# KiCad board ClockFOUR.kicad_pcb (continued)
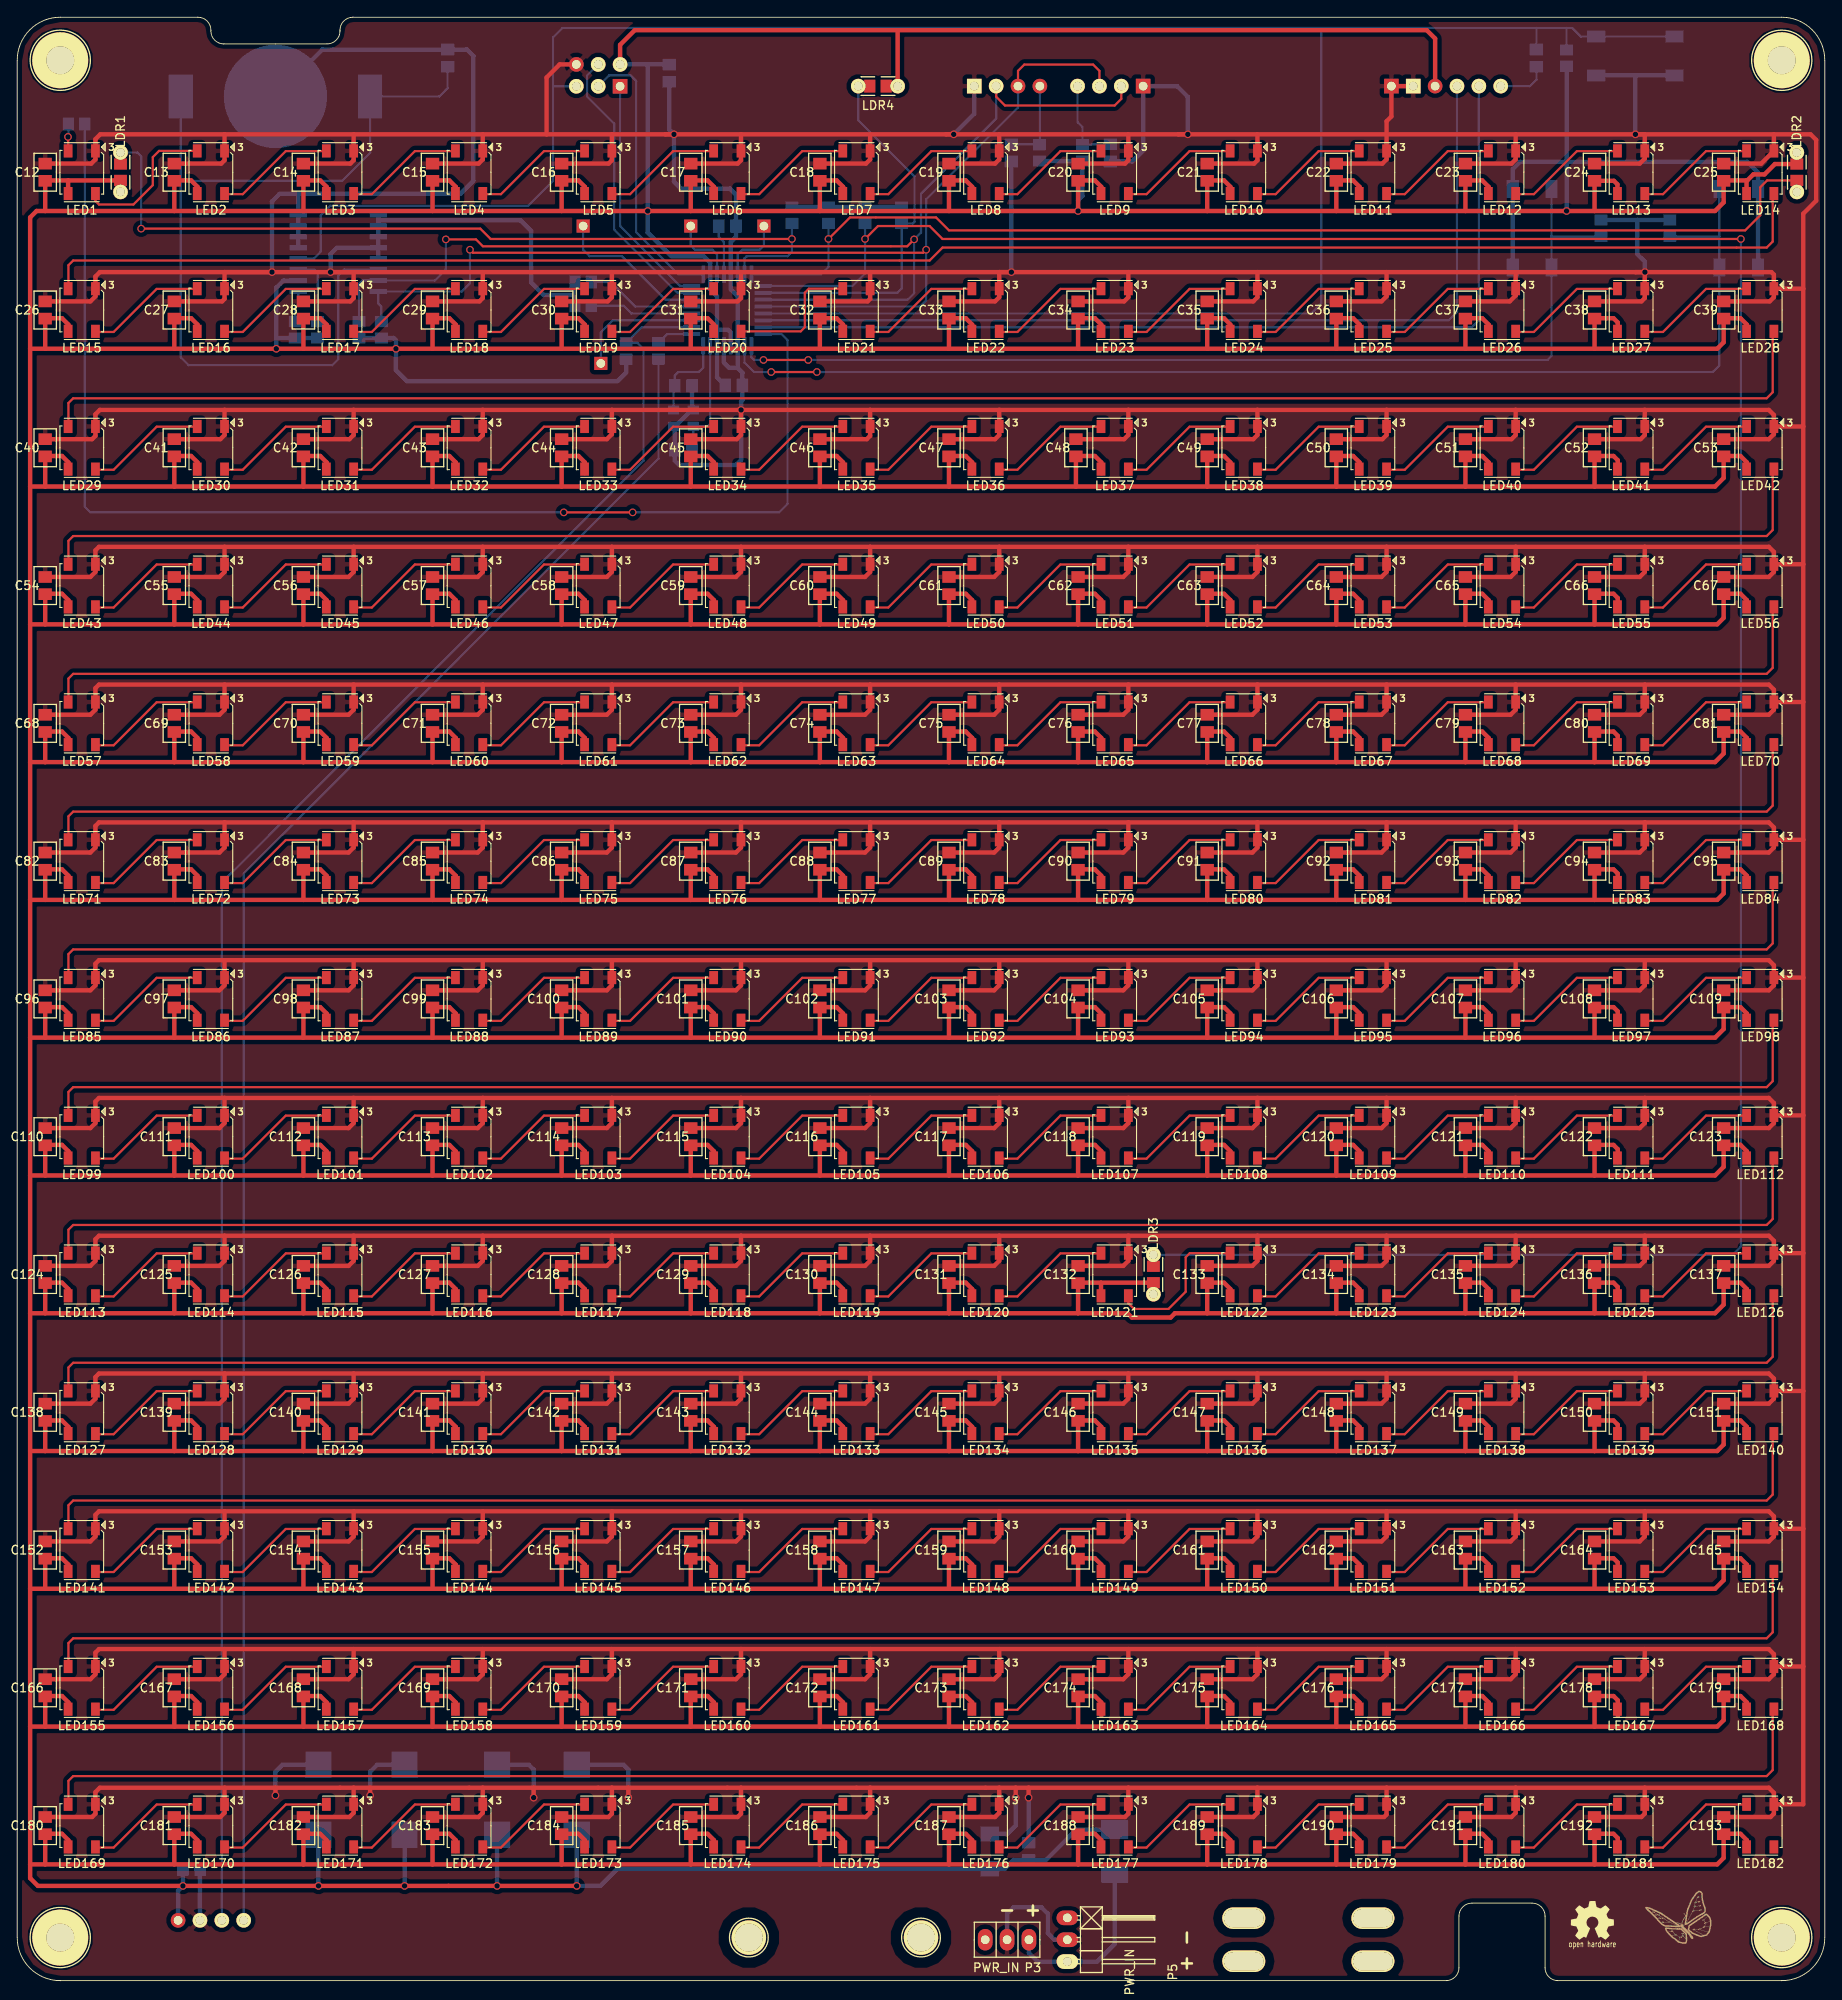
[diagram p0: board, top side]
## Nets (continued)
Net-(LED130-Pad2): LED130.2 LED131.4
Net-(LED131-Pad2): LED131.2 LED132.4
Net-(LED132-Pad2): LED132.2 LED133.4
Net-(LED133-Pad2): LED133.2 LED134.4
Net-(LED134-Pad2): LED134.2 LED135.4
Net-(LED135-Pad2): LED135.2 LED136.4
Net-(LED136-Pad2): LED136.2 LED137.4
Net-(LED137-Pad2): LED137.2 LED138.4
Net-(LED138-Pad2): LED138.2 LED139.4
Net-(LED139-Pad2): LED139.2 LED140.4
Net-(LED141-Pad2): LED141.2 LED142.4
Net-(LED142-Pad2): LED142.2 LED143.4
Net-(LED143-Pad2): LED143.2 LED144.4
Net-(LED144-Pad2): LED144.2 LED145.4
Net-(LED145-Pad2): LED145.2 LED146.4
Net-(LED146-Pad2): LED146.2 LED147.4
Net-(LED147-Pad2): LED147.2 LED148.4
Net-(LED148-Pad2): LED148.2 LED149.4
Net-(LED149-Pad2): LED149.2 LED150.4
Net-(LED150-Pad2): LED150.2 LED151.4
Net-(LED151-Pad2): LED151.2 LED152.4
Net-(LED152-Pad2): LED152.2 LED153.4
Net-(LED153-Pad2): LED153.2 LED154.4
Net-(LED155-Pad2): LED155.2 LED156.4
Net-(LED156-Pad2): LED156.2 LED157.4
Net-(LED157-Pad2): LED157.2 LED158.4
Net-(LED158-Pad2): LED158.2 LED159.4
Net-(LED159-Pad2): LED159.2 LED160.4
Net-(LED160-Pad2): LED160.2 LED161.4
Net-(LED161-Pad2): LED161.2 LED162.4
Net-(LED162-Pad2): LED162.2 LED163.4
Net-(LED163-Pad2): LED163.2 LED164.4
Net-(LED164-Pad2): LED164.2 LED165.4
Net-(LED165-Pad2): LED165.2 LED166.4
Net-(LED166-Pad2): LED166.2 LED167.4
Net-(LED167-Pad2): LED167.2 LED168.4
Net-(LED169-Pad2): LED169.2 LED170.4
Net-(LED170-Pad2): LED170.2 LED171.4
Net-(LED171-Pad2): LED171.2 LED172.4
Net-(LED172-Pad2): LED172.2 LED173.4
Net-(LED173-Pad2): LED173.2 LED174.4
Net-(LED174-Pad2): LED174.2 LED175.4
Net-(LED175-Pad2): LED175.2 LED176.4
Net-(LED176-Pad2): LED176.2 LED177.4
Net-(LED177-Pad2): LED177.2 LED178.4
Net-(LED178-Pad2): LED178.2 LED179.4
Net-(LED179-Pad2): LED179.2 LED180.4
Net-(LED180-Pad2): LED180.2 LED181.4
Net-(LED181-Pad2): LED181.2 LED182.4
Net-(P10-Pad1): P10.1 R4.2
Net-(R6-Pad2): R6.2 U2.3
Net-(R7-Pad2): R7.2 U2.1
Net-(R12-Pad2): R12.2 U1.12
Net-(R13-Pad2): R13.2 U1.13

Pads without a net: LED182 2; P3 1; P5 1; S1 1; S2 1; S3 1; S4 1; S5 1; S6 1; S10 1; S11 1; S12 1; S13 1

## Via types
v1: diameter 0.889, hole 0.635, Top to Bottom, 41 vias

## Routing (per net, layer and track width the routed paths; a pad name or vN(x,y) marks a point on that pad's centre or on a via; arc(x,y) is an arc through that point)
5V: length 4682.8
  Top w0.254: 63.3,209.05 63.45,209.05 ; 78.05,209.05 78.45,209.05 ; 80.95,207.45 80.95,207.3 ; 93.05,209.05 93.45,209.05 ; 123.05,209.05 123.45,209.05 ; 170.95,207.45 170.95,208.2
  Top w0.508: 138.05,209.05 138.45,209.05 ; 153.05,209.05 153.45,209.05 ; 155.95,207.45 155.95,207.3 ; 155.95,207.45 155.95,207.05 ; 155.95,207.45 155.95,208.3 155.2,209.05 153.5,209.05 ; 168.05,209.05 168.45,209.05 ; 200.95,15.45 200.95,16.3 200.2,17.05 198.25,17.05 ; 168.25,13.5 183.25,13.5 ; 168.25,13.5 153.25,13.5 ; 168.25,13.5 C191.2 ; 183.25,13.5 197.5,13.5 198.25,14.25 C193.2 ; 183.25,13.5 C192.2 ; 153.25,13.5 138.25,13.5 ; 153.25,13.5 C190.2 ; 138.25,13.5 123.25,13.5 ; 138.25,13.5 C189.2 ; 123.25,13.5 108.25,13.5 ; 123.25,13.5 C188.2 ; 108.25,13.5 93.25,13.5 ; 108.25,13.5 C187.2 ; 95.95,15.45 95.95,16.3 95.2,17.05 93.25,17.05 ; 93.25,13.5 78.25,13.5 ; 93.25,13.5 C186.2 ; 78.25,13.5 63.25,13.5 ; 78.25,13.5 C185.2 ; 63.25,13.5 48.25,13.5 ; 63.25,13.5 C184.2 ; 48.25,13.5 33.25,13.5 ; 48.25,13.5 C183.2 ; 33.25,13.5 18.25,13.5 ; 33.25,13.5 C182.2 ; 18.25,13.5 3.25,13.5 ; 18.25,13.5 C181.2 ; 3.25,13.5 1.5,13.5 ; 3.25,13.5 C180.2 ; 170.95,31.05 170.95,32.3 170.2,33.05 168.25,33.05 168.85,33.05 ; 155.95,31.05 155.95,32.3 155.2,33.05 153.25,33.05 153.85,33.05 ; 140.95,31.05 140.95,32.3 140.2,33.05 138.25,33.05 138.85,33.05 ; 125.95,31.45 125.95,31.05 ; 125.95,31.45 125.95,32.3 125.2,33.05 123.25,33.05 123.85,33.05 ; 125.95,31.45 125.95,30.8 ; 5.95,31.05 5.95,32.3 5.2,33.05 3.25,33.05 3.85,33.05 ; 110.95,31.05 110.95,32.3 110.2,33.05 108.25,33.05 108.85,33.05 ; 80.95,31.05 80.95,32.3 80.2,33.05 78.25,33.05 78.45,33.05 ; 65.95,31.05 65.95,32.3 65.2,33.05 63.25,33.05 63.85,33.05 ; 50.95,31.05 50.95,32.3 50.2,33.05 48.25,33.05 48.85,33.05 ; 35.95,31.05 35.95,32.3 35.2,33.05 33.25,33.05 33.85,33.05 ; 20.95,31.05 20.95,32.3 20.2,33.05 18.25,33.05 18.85,33.05 ; 185.95,31.45 185.95,31.05 ; 185.95,31.45 185.95,32.55 185.45,33.05 183.25,33.05 183.85,33.05 ; 185.95,31.45 185.95,30.8 ; 168.25,29.5 183.25,29.5 ; 168.25,29.5 153.25,29.5 ; 168.25,29.5 C177.2 ; 183.25,29.5 197.5,29.5 198.25,30.25 C179.2 ; 183.25,29.5 C178.2 ; 153.25,29.5 138.25,29.5 ; 153.25,29.5 C176.2 ; 138.25,29.5 123.25,29.5 ; 138.25,29.5 C175.2 ; 123.25,29.5 108.25,29.5 ; 123.25,29.5 C174.2 ; 108.25,29.5 93.25,29.5 ; 108.25,29.5 C173.2 ; 93.25,29.5 78.25,29.5 ; 93.25,29.5 C172.2 ; 78.25,29.5 63.25,29.5 ; 78.25,29.5 C171.2 ; 63.25,29.5 48.25,29.5 ; 63.25,29.5 C170.2 ; 48.25,29.5 33.25,29.5 ; 48.25,29.5 C169.2 ; 33.25,29.5 18.25,29.5 ; 33.25,29.5 C168.2 ; 18.25,29.5 3.25,29.5 ; 18.25,29.5 C167.2 ; 200.95,31.45 200.95,32.3 200.2,33.05 198.25,33.05 198.85,33.05 ; 95.95,31.45 95.95,32.3 95.2,33.05 93.25,33.05 93.85,33.05 ; 170.95,47.05 170.95,48.3 170.2,49.05 168.25,49.05 168.85,49.05 ; 155.95,47.05 155.95,48.3 155.2,49.05 153.25,49.05 153.85,49.05 ; 140.95,47.05 140.95,48.3 140.2,49.05 138.25,49.05 138.85,49.05 ; 125.95,47.05 125.95,48.3 125.2,49.05 123.25,49.05 123.85,49.05 ; 5.95,47.05 5.95,48.3 5.2,49.05 3.25,49.05 3.85,49.05 ; 110.95,47.05 110.95,48.3 110.2,49.05 108.25,49.05 ; 80.95,47.05 80.95,48.3 80.2,49.05 78.25,49.05 ; 65.95,47.05 65.95,48.3 65.2,49.05 63.25,49.05 63.85,49.05 ; 50.95,47.05 50.95,48.3 50.2,49.05 48.25,49.05 ; 35.95,47.05 35.95,48.3 35.2,49.05 33.25,49.05 ; 20.95,47.05 20.95,48.3 20.2,49.05 18.25,49.05 ; 185.95,47.05 185.95,48.55 185.45,49.05 183.25,49.05 183.85,49.05 ; 168.25,45.5 183.25,45.5 ; 168.25,45.5 153.25,45.5 ; 168.25,45.5 C163.2 ; 183.25,45.5 197.25,45.5 198.25,46.5 C165.2 ; 183.25,45.5 C164.2 ; 153.25,45.5 138.25,45.5 ; 153.25,45.5 C162.2 ; 138.25,45.5 123.25,45.5 ; 138.25,45.5 C161.2 ; 123.25,45.5 108.25,45.5 ; 123.25,45.5 C160.2 ; 108.25,45.5 93.25,45.5 ; 108.25,45.5 C159.2 ; 93.25,45.5 78.25,45.5 ; 93.25,45.5 C158.2 ; 78.25,45.5 63.25,45.5 ; 78.25,45.5 C157.2 ; 63.25,45.5 48.25,45.5 ; 63.25,45.5 C156.2 ; 48.25,45.5 33.25,45.5 ; 48.25,45.5 C155.2 ; 33.25,45.5 18.25,45.5 ; 33.25,45.5 C154.2 ; 18.25,45.5 3.25,45.5 ; 18.25,45.5 C153.2 ; 200.95,47.45 200.95,48.3 200.2,49.05 198.25,49.05 ; 95.95,47.45 95.95,48.3 95.2,49.05 93.25,49.05 ; 170.95,63.05 170.95,64.3 170.2,65.05 168.25,65.05 168.85,65.05 ; 155.95,63.05 155.95,64.3 155.2,65.05 153.25,65.05 153.85,65.05 ; 140.95,63.05 140.95,64.3 140.2,65.05 138.25,65.05 138.85,65.05 ; 125.95,63.05 125.95,64.3 125.2,65.05 123.25,65.05 123.85,65.05 ; 5.95,63.05 5.95,64.3 5.2,65.05 3.25,65.05 3.85,65.05 ; 110.95,63.05 110.95,64.3 110.2,65.05 108.25,65.05 ; 80.95,63.05 80.95,64.3 80.2,65.05 78.25,65.05 ; 65.95,63.05 65.95,64.3 65.2,65.05 63.25,65.05 63.85,65.05 ; 50.95,63.05 50.95,64.3 50.2,65.05 48.25,65.05 ; 35.95,63.05 35.95,64.3 35.2,65.05 33.25,65.05 ; 20.95,63.05 20.95,64.3 20.2,65.05 18.25,65.05 ; 185.95,63.05 185.95,64.55 185.45,65.05 183.25,65.05 183.85,65.05 ; 168.25,61.5 183.25,61.5 ; 168.25,61.5 153.25,61.5 ; 168.25,61.5 C149.2 ; 183.25,61.5 197.5,61.5 198.25,62.25 C151.2 ; 183.25,61.5 C150.2 ; 153.25,61.5 138.25,61.5 ; 153.25,61.5 C148.2 ; 138.25,61.5 123.25,61.5 ; 138.25,61.5 C147.2 ; 123.25,61.5 108.25,61.5 ; 123.25,61.5 C146.2 ; 108.25,61.5 93.25,61.5 ; 108.25,61.5 C145.2 ; 93.25,61.5 78.25,61.5 ; 93.25,61.5 C144.2 ; 78.25,61.5 63.25,61.5 ; 78.25,61.5 C143.2 ; 63.25,61.5 48.25,61.5 ; 63.25,61.5 C142.2 ; 48.25,61.5 33.25,61.5 ; 48.25,61.5 C141.2 ; 33.25,61.5 18.25,61.5 ; 33.25,61.5 C140.2 ; 18.25,61.5 3.25,61.5 ; 18.25,61.5 C139.2 ; 200.95,63.45 200.95,64.3 200.2,65.05 198.25,65.05 ; 95.95,63.45 95.95,64.3 95.2,65.05 93.25,65.05 ; 170.95,79.05 170.95,80.3 170.2,81.05 168.25,81.05 168.85,81.05 ; 155.95,79.05 155.95,80.3 155.2,81.05 153.25,81.05 153.85,81.05 ; 140.95,79.05 140.95,80.3 140.2,81.05 138.25,81.05 138.85,81.05 ; 125.95,79.45 125.95,79.05 ; 123.25,81.05 123.85,81.05 ; 5.95,79.05 5.95,80.3 5.2,81.05 3.25,81.05 3.85,81.05 ; 110.95,79.05 110.95,80.3 110.2,81.05 108.25,81.05 ; 80.95,79.05 80.95,80.3 80.2,81.05 78.25,81.05 ; 65.95,79.05 65.95,80.3 65.2,81.05 63.25,81.05 63.85,81.05 ; 50.95,79.05 50.95,80.3 50.2,81.05 48.25,81.05 ; 35.95,79.05 35.95,80.3 35.2,81.05 33.25,81.05 ; 20.95,79.05 20.95,80.3 20.2,81.05 18.25,81.05 ; 185.95,79.05 185.95,80.55 185.45,81.05 183.25,81.05 183.85,81.05 ; 168.25,77.5 183.25,77.5 ; 168.25,77.5 153.25,77.5 ; 168.25,77.5 C135.2 ; 183.25,77.5 197.25,77.5 198.25,78.5 C137.2 ; 183.25,77.5 C136.2 ; 153.25,77.5 138.25,77.5 ; 153.25,77.5 C134.2 ; 138.25,77.5 134.5,77.5 134,77 129.5,77 129,77.5 123.25,77.5 ; 138.25,77.5 C133.2 ; 108.25,77.5 123.25,77.5 ; 108.25,77.5 93.25,77.5 ; 108.25,77.5 C131.2 ; 123.25,77.5 C132.2 123.3,81.05 125.91,81.05 ; 93.25,77.5 78.25,77.5 ; 93.25,77.5 C130.2 ; 78.25,77.5 63.25,77.5 ; 78.25,77.5 C129.2 ; 63.25,77.5 48.25,77.5 ; 63.25,77.5 C128.2 ; 48.25,77.5 33.25,77.5 ; 48.25,77.5 C127.2 ; 33.25,77.5 18.25,77.5 ; 33.25,77.5 C126.2 ; 18.25,77.5 3.25,77.5 ; 18.25,77.5 C125.2 ; 200.95,79.45 200.95,80.3 200.2,81.05 198.25,81.05 ; 95.95,79.45 95.95,80.3 95.2,81.05 93.25,81.05 ; 170.95,95.05 170.95,96.3 170.2,97.05 168.25,97.05 168.85,97.05 ; 155.95,95.05 155.95,96.3 155.2,97.05 153.25,97.05 153.85,97.05 ; 140.95,95.05 140.95,96.3 140.2,97.05 138.25,97.05 138.85,97.05 ; 125.95,95.05 125.95,96.3 125.2,97.05 123.25,97.05 123.85,97.05 ; 5.95,95.05 5.95,96.3 5.2,97.05 3.25,97.05 3.85,97.05 ; 110.95,95.05 110.95,96.3 110.2,97.05 108.25,97.05 ; 80.95,95.05 80.95,96.3 80.2,97.05 78.25,97.05 ; 65.95,95.05 65.95,96.3 65.2,97.05 63.25,97.05 63.85,97.05 ; 50.95,95.05 50.95,96.3 50.2,97.05 48.25,97.05 ; 35.95,95.05 35.95,96.3 35.2,97.05 33.25,97.05 ; 20.95,95.05 20.95,96.3 20.2,97.05 18.25,97.05 ; 185.95,95.05 185.95,96.55 185.45,97.05 183.25,97.05 183.85,97.05 ; 168.25,93.5 183.25,93.5 ; 168.25,93.5 153.25,93.5 ; 168.25,93.5 C121.2 ; 183.25,93.5 197.25,93.5 198.25,94.5 C123.2 ; 183.25,93.5 C122.2 ; 153.25,93.5 138.25,93.5 ; 153.25,93.5 C120.2 ; 138.25,93.5 123.25,93.5 ; 138.25,93.5 C119.2 ; 123.25,93.5 108.25,93.5 ; 123.25,93.5 C118.2 ; 108.25,93.5 93.25,93.5 ; 108.25,93.5 C117.2 ; 93.25,93.5 78.25,93.5 ; 93.25,93.5 C116.2 ; 78.25,93.5 63.25,93.5 ; 78.25,93.5 C115.2 ; 63.25,93.5 48.25,93.5 ; 63.25,93.5 C114.2 ; 48.25,93.5 33.25,93.5 ; 48.25,93.5 C113.2 ; 33.25,93.5 18.25,93.5 ; 33.25,93.5 C112.2 ; 18.25,93.5 3.25,93.5 ; 18.25,93.5 C111.2 ; 200.95,95.45 200.95,96.3 200.2,97.05 198.25,97.05 ; 95.95,95.45 95.95,96.3 95.2,97.05 93.25,97.05 ; 170.95,111.05 170.95,112.3 170.2,113.05 168.25,113.05 168.85,113.05 ; 155.95,111.05 155.95,112.3 155.2,113.05 153.25,113.05 153.85,113.05 ; 140.95,111.05 140.95,112.3 140.2,113.05 138.25,113.05 138.85,113.05 ; 125.95,111.05 125.95,112.3 125.2,113.05 123.25,113.05 123.85,113.05 ; 5.95,111.05 5.95,112.3 5.2,113.05 3.25,113.05 3.85,113.05 ; 110.95,111.05 110.95,112.3 110.2,113.05 108.25,113.05 ; 80.95,111.05 80.95,112.3 80.2,113.05 78.25,113.05 ; 65.95,111.05 65.95,112.3 65.2,113.05 63.25,113.05 63.85,113.05 ; 50.95,111.05 50.95,112.3 50.2,113.05 48.25,113.05 ; 35.95,111.05 35.95,112.3 35.2,113.05 33.25,113.05 ; 20.95,111.05 20.95,112.3 20.2,113.05 18.25,113.05 ; 185.95,111.05 185.95,112.55 185.45,113.05 183.25,113.05 183.85,113.05 ; 168.25,109.5 183.25,109.5 ; 168.25,109.5 153.25,109.5 ; 168.25,109.5 C107.2 ; 183.25,109.5 197.25,109.5 198.25,110.5 C109.2 ; 183.25,109.5 C108.2 ; 153.25,109.5 138.25,109.5 ; 153.25,109.5 C106.2 ; 138.25,109.5 123.25,109.5 ; 138.25,109.5 C105.2 ; 123.25,109.5 108.25,109.5 ; 123.25,109.5 C104.2 ; 108.25,109.5 93.25,109.5 ; 108.25,109.5 C103.2 ; 93.25,109.5 78.25,109.5 ; 93.25,109.5 C102.2 ; 78.25,109.5 63.25,109.5 ; 78.25,109.5 C101.2 ; 63.25,109.5 48.25,109.5 ; 63.25,109.5 C100.2 ; 48.25,109.5 33.25,109.5 ; 48.25,109.5 C99.2 ; 33.25,109.5 18.25,109.5 ; 33.25,109.5 C98.2 ; 18.25,109.5 3.25,109.5 ; 18.25,109.5 C97.2 ; 200.95,111.45 200.95,112.3 200.2,113.05 198.25,113.05 ; 95.95,111.45 95.95,112.3 95.2,113.05 93.25,113.05 ; 170.95,127.05 170.95,128.3 170.2,129.05 168.25,129.05 168.85,129.05 ; 155.95,127.05 155.95,128.3 155.2,129.05 153.25,129.05 153.85,129.05 ; 140.95,127.05 140.95,128.3 140.2,129.05 138.25,129.05 138.85,129.05 ; 125.95,127.05 125.95,128.3 125.2,129.05 123.25,129.05 123.85,129.05 ; 5.95,127.05 5.95,128.3 5.2,129.05 3.25,129.05 3.85,129.05 ; 110.95,127.05 110.95,128.3 110.2,129.05 108.25,129.05 ; 80.95,127.05 80.95,128.3 80.2,129.05 78.25,129.05 ; 65.95,127.05 65.95,128.3 65.2,129.05 63.25,129.05 63.85,129.05 ; 50.95,127.05 50.95,128.3 50.2,129.05 48.25,129.05 ; 35.95,127.05 35.95,128.3 35.2,129.05 33.25,129.05 ; 20.95,127.05 20.95,128.3 20.2,129.05 18.25,129.05 ; 185.95,127.05 185.95,128.55 185.45,129.05 183.25,129.05 183.85,129.05 ; 168.25,125.5 183.25,125.5 ; 168.25,125.5 153.25,125.5 ; 168.25,125.5 C93.2 ; 183.25,125.5 197.5,125.5 198.25,126.25 C95.2 ; 183.25,125.5 C94.2 ; 153.25,125.5 138.25,125.5 ; 153.25,125.5 C92.2 ; 138.25,125.5 123.25,125.5 ; 138.25,125.5 C91.2 ; 123.25,125.5 108.25,125.5 ; 123.25,125.5 C90.2 ; 108.25,125.5 93.25,125.5 ; 108.25,125.5 C89.2 ; 93.25,125.5 78.25,125.5 ; 93.25,125.5 C88.2 ; 78.25,125.5 63.25,125.5 ; 78.25,125.5 C87.2 ; 63.25,125.5 48.25,125.5 ; 63.25,125.5 C86.2 ; 48.25,125.5 33.25,125.5 ; 48.25,125.5 C85.2 ; 33.25,125.5 18.25,125.5 ; 33.25,125.5 C84.2 ; 18.25,125.5 3.25,125.5 ; 18.25,125.5 C83.2 ; 200.95,127.45 200.95,128.3 200.2,129.05 198.25,129.05 ; 95.95,127.45 95.95,128.3 95.2,129.05 93.25,129.05 ; 170.95,143.05 170.95,144.3 170.2,145.05 168.25,145.05 168.85,145.05 ; 155.95,143.05 155.95,144.3 155.2,145.05 153.25,145.05 153.85,145.05 ; 140.95,143.05 140.95,144.3 140.2,145.05 138.25,145.05 138.85,145.05 ; 125.95,143.05 125.95,144.3 125.2,145.05 123.25,145.05 123.85,145.05 ; 5.95,143.05 5.95,144.3 5.2,145.05 3.25,145.05 3.85,145.05 ; 110.95,143.05 110.95,144.3 110.2,145.05 108.25,145.05 ; 80.95,143.05 80.95,144.3 80.2,145.05 78.25,145.05 ; 65.95,143.05 65.95,144.3 65.2,145.05 63.25,145.05 63.85,145.05 ; 50.95,143.05 50.95,144.3 50.2,145.05 48.25,145.05 ; 35.95,143.05 35.95,144.3 35.2,145.05 33.25,145.05 ; 20.95,143.05 20.95,144.3 20.2,145.05 18.25,145.05 ; 185.95,143.05 185.95,144.55 185.45,145.05 183.25,145.05 183.85,145.05 ; 168.25,141.5 183.25,141.5 ; 168.25,141.5 153.25,141.5 ; 168.25,141.5 C79.2 ; 183.25,141.5 197.25,141.5 198.25,142.5 C81.2 ; 183.25,141.5 C80.2 ; 153.25,141.5 138.25,141.5 ; 153.25,141.5 C78.2 ; 138.25,141.5 123.25,141.5 ; 138.25,141.5 C77.2 ; 123.25,141.5 108.25,141.5 ; 123.25,141.5 C76.2 ; 108.25,141.5 93.25,141.5 ; 108.25,141.5 C75.2 ; 93.25,141.5 78.25,141.5 ; 93.25,141.5 C74.2 ; 78.25,141.5 63.25,141.5 ; 78.25,141.5 C73.2 ; 63.25,141.5 48.25,141.5 ; 63.25,141.5 C72.2 ; 48.25,141.5 33.25,141.5 ; 48.25,141.5 C71.2 ; 33.25,141.5 18.25,141.5 ; 33.25,141.5 C70.2 ; 18.25,141.5 3.25,141.5 ; 18.25,141.5 C69.2 ; 200.95,143.45 200.95,144.3 200.2,145.05 198.25,145.05 ; 95.95,143.45 95.95,144.3 95.2,145.05 93.25,145.05 ; 170.95,159.05 170.95,160.3 170.2,161.05 168.25,161.05 168.85,161.05 ; 155.95,159.05 155.95,160.3 155.2,161.05 153.25,161.05 153.85,161.05 ; 140.95,159.05 140.95,160.3 140.2,161.05 138.25,161.05 138.85,161.05 ; 125.95,159.05 125.95,160.3 125.2,161.05 123.25,161.05 123.85,161.05 ; 5.95,159.05 5.95,160.3 5.2,161.05 3.25,161.05 3.85,161.05 ; 110.95,159.05 110.95,160.3 110.2,161.05 108.25,161.05 ; 80.95,159.05 80.95,160.3 80.2,161.05 78.25,161.05 ; 65.95,159.05 65.95,160.3 65.2,161.05 63.25,161.05 63.85,161.05 ; 50.95,159.05 50.95,160.3 50.2,161.05 48.25,161.05 ; 35.95,159.05 35.95,160.3 35.2,161.05 33.25,161.05 ; 20.95,159.05 20.95,160.3 20.2,161.05 18.25,161.05 ; 185.95,159.05 185.95,160.55 185.45,161.05 183.25,161.05 183.85,161.05 ; 168.25,157.5 183.25,157.5 ; 168.25,157.5 153.25,157.5 ; 168.25,157.5 C65.2 ; 183.25,157.5 197.5,157.5 198.25,158.25 C67.2 ; 183.25,157.5 C66.2 ; 153.25,157.5 138.25,157.5 ; 153.25,157.5 C64.2 ; 138.25,157.5 123.25,157.5 ; 138.25,157.5 C63.2 ; 123.25,157.5 108.25,157.5 ; 123.25,157.5 C62.2 ; 108.25,157.5 93.25,157.5 ; 108.25,157.5 C61.2 ; 93.25,157.5 78.25,157.5 ; 93.25,157.5 C60.2 ; 78.25,157.5 63.25,157.5 ; 78.25,157.5 C59.2 ; 63.25,157.5 48.25,157.5 ; 63.25,157.5 C58.2 ; 48.25,157.5 33.25,157.5 ; 48.25,157.5 C57.2 ; 33.25,157.5 18.25,157.5 ; 33.25,157.5 C56.2 ; 18.25,157.5 3.25,157.5 ; 18.25,157.5 C55.2 ; 200.95,159.45 200.95,160.3 200.2,161.05 198.25,161.05 ; 95.95,159.45 95.95,160.3 95.2,161.05 93.25,161.05 ; 170.95,175.05 170.95,176.3 170.2,177.05 168.25,177.05 168.85,177.05 ; 155.95,175.05 155.95,176.3 155.2,177.05 153.25,177.05 153.85,177.05 ; 140.95,175.05 140.95,176.3 140.2,177.05 138.25,177.05 138.85,177.05 ; 125.95,175.05 125.95,176.3 125.2,177.05 123.25,177.05 ; 5.95,175.05 5.95,176.3 5.2,177.05 3.25,177.05 3.85,177.05 ; 110.95,175.05 110.95,176.3 110.2,177.05 108.25,177.05 ; 80.95,175.05 80.95,176.3 80.2,177.05 78.25,177.05 ; 65.95,175.05 65.95,176.3 65.2,177.05 63.25,177.05 63.85,177.05 ; 50.95,175.05 50.95,176.3 50.2,177.05 48.25,177.05 ; 35.95,175.05 35.95,176.3 35.2,177.05 33.25,177.05 ; 20.95,175.05 20.95,176.3 20.2,177.05 18.25,177.05 ; 185.95,175.05 185.95,176.55 185.45,177.05 183.25,177.05 183.85,177.05 ; 168.25,173.5 183.25,173.5 ; 168.25,173.5 153.25,173.5 ; 168.25,173.5 C51.2 ; 183.25,173.5 197.25,173.5 198.25,174.5 C53.2 ; 183.25,173.5 C52.2 ; 153.25,173.5 138.25,173.5 ; 153.25,173.5 C50.2 ; 138.25,173.5 123,173.5 ; 138.25,173.5 C49.2 ; 123,173.5 108.25,173.5 ; 123,173.5 C48.2 ; 108.25,173.5 93.25,173.5 ; 108.25,173.5 C47.2 ; 93.25,173.5 78.25,173.5 ; 93.25,173.5 C46.2 ; 78.25,173.5 63.25,173.5 ; 78.25,173.5 C45.2 ; 63.25,173.5 48.25,173.5 ; 63.25,173.5 C44.2 ; 48.25,173.5 33.25,173.5 ; 48.25,173.5 C43.2 ; 33.25,173.5 18.25,173.5 ; 33.25,173.5 C42.2 ; 18.25,173.5 3.25,173.5 ; 18.25,173.5 C41.2 ; 200.95,175.45 200.95,176.3 200.2,177.05 198.25,177.05 ; 95.95,175.45 95.95,176.3 95.2,177.05 93.25,177.05 ; 170.95,191.05 170.95,192.3 170.2,193.05 168.25,193.05 168.85,193.05 ; 155.95,191.05 155.95,192.3 155.2,193.05 153.25,193.05 153.85,193.05 ; 140.95,191.05 140.95,192.3 140.2,193.05 138.25,193.05 138.85,193.05 ; 125.95,191.05 125.95,192.3 125.2,193.05 123.25,193.05 123.85,193.05 ; 5.95,191.05 5.95,192.3 5.2,193.05 3.25,193.05 3.85,193.05 ; 110.95,191.05 110.95,192.3 110.2,193.05 108.25,193.05 ; 80.95,191.05 80.95,192.3 80.2,193.05 78.25,193.05 ; 65.95,191.05 65.95,192.3 65.2,193.05 63.25,193.05 63.85,193.05 ; 50.95,191.05 50.95,192.3 50.2,193.05 48.25,193.05 ; 35.95,191.05 35.95,192.3 35.2,193.05 33.25,193.05 ; 20.95,191.05 20.95,192.3 20.2,193.05 18.25,193.05 ; 185.95,191.05 185.95,192.55 185.45,193.05 183.25,193.05 183.85,193.05 ; 168.25,189.5 183.25,189.5 ; 168.25,189.5 153.25,189.5 ; 168.25,189.5 C37.2 ; 183.25,189.5 197.5,189.5 198.25,190.25 C39.2 ; 183.25,189.5 C38.2 ; 153.25,189.5 138.25,189.5 ; 153.25,189.5 C36.2 ; 138.25,189.5 123.25,189.5 ; 138.25,189.5 C35.2 ; 123.25,189.5 108.25,189.5 ; 123.25,189.5 C34.2 ; 108.25,189.5 93.25,189.5 ; 108.25,189.5 C33.2 ; 93.25,189.5 78.25,189.5 ; 93.25,189.5 C32.2 ; 78.25,189.5 63.25,189.5 ; 78.25,189.5 C31.2 ; 63.25,189.5 48.25,189.5 ; 63.25,189.5 C30.2 ; 48.25,189.5 v1(44,189.5) 33.25,189.5 ; 48.25,189.5 C29.2 ; 33.25,189.5 v1(30.1,189.5) 18.25,189.5 ; 33.25,189.5 C28.2 ; 18.25,189.5 3.25,189.5 ; 18.25,189.5 C27.2 ; 200.95,191.45 200.95,192.3 200.2,193.05 198.25,193.05 ; 95.95,191.45 95.95,192.3 95.2,193.05 93.25,193.05 ; 170.95,207.45 170.95,207.05 ; 170.95,207.45 170.95,208.3 170.2,209.05 168.5,209.05 ; 170.95,207.45 170.95,207.3 ; 140.95,207.05 140.95,208.3 140.2,209.05 138.5,209.05 ; 125.95,207.05 125.95,208.3 125.2,209.05 123.5,209.05 ; 5.95,207.45 5.95,207.05 ; 110.95,207.05 110.95,208.3 110.2,209.05 108.5,209.05 ; 80.95,207.05 80.95,208.3 80.2,209.05 78.5,209.05 ; 65.95,207.05 65.95,208.3 65.2,209.05 63.5,209.05 ; 50.95,207.05 50.95,208.3 50.2,209.05 48.5,209.05 ; 35.95,207.05 35.95,208.3 35.2,209.05 33.5,209.05 ; 20.95,207.05 20.95,208.3 20.2,209.05 18.5,209.05 ; 3.25,209.05 3.85,209.05 ; 93.5,209.05 95.2,209.05 95.95,208.3 95.95,207.45 96.05,207.45 ; 1.5,189.5 1.5,204.75 2.25,205.5 3.25,205.5 ; 1.5,189.5 1.5,173.5 ; 1.5,189.5 3.25,189.5 ; 3.25,29.5 1.5,29.5 ; 3.25,29.5 C166.2 ; 1.5,45.5 1.5,29.5 ; 1.5,45.5 1.5,61.5 ; 1.5,45.5 3.25,45.5 ; 1.5,29.5 1.5,13.5 ; 3.25,45.5 C152.2 ; 1.5,61.5 1.5,77.5 ; 1.5,61.5 3.25,61.5 ; 3.25,61.5 C138.2 ; 1.5,77.5 1.5,93.5 ; 1.5,77.5 3.25,77.5 ; 3.25,77.5 C124.2 ; 1.5,93.5 1.5,109.5 ; 1.5,93.5 3.25,93.5 ; 3.25,93.5 C110.2 ; 1.5,109.5 1.5,125.5 ; 1.5,109.5 3.25,109.5 ; 3.25,109.5 C96.2 ; 1.5,125.5 1.5,141.5 ; 1.5,125.5 3.25,125.5 ; 3.25,125.5 C82.2 ; 1.5,141.5 1.5,157.5 ; 1.5,141.5 3.25,141.5 ; 3.25,141.5 C68.2 ; 1.5,157.5 1.5,173.5 ; 1.5,157.5 3.25,157.5 ; 3.25,157.5 C54.2 ; 1.5,173.5 3.25,173.5 ; 3.25,173.5 C40.2 ; 3.25,189.5 C26.2 ; 18.25,205.5 3.25,205.5 ; 18.25,205.5 33.25,205.5 ; 18.25,205.5 C13.2 ; 3.25,205.5 C12.2 3.3,209.05 5.91,209.05 ; 1.5,13.5 1.5,11.9 2.4,11 v1(19.25,11) 35.1,11 ; LED13.1 185.91,208.59 185.5,209 C24.2 183.25,205.5 ; 183.25,205.5 v1(180,205.5) 168.25,205.5 ; 183.25,205.5 197.25,205.5 198.25,206.5 C25.2 198.3,209.05 200.91,209.05 ; 35.1,11 v1(35,11) ; 35.1,11 v1(45,11) v1(55.75,11) v1(65,11) ; 78.25,205.5 93.25,205.5 ; 78.25,205.5 v1(73.25,205.5) 63.25,205.5 ; 78.25,205.5 C17.2 ; 93.25,205.5 108.25,205.5 ; 93.25,205.5 C18.2 ; 168.25,205.5 153.25,205.5 ; 168.25,205.5 C23.2 ; 153.25,205.5 138.25,205.5 ; 153.25,205.5 C22.2 ; 138.25,205.5 v1(123.25,205.5) ; 138.25,205.5 C21.2 ; v1(123.25,205.5) 108.25,205.5 ; v1(123.25,205.5) C20.2 ; 108.25,205.5 C19.2 ; 63.25,205.5 48.25,205.5 ; 63.25,205.5 C16.2 ; 48.25,205.5 33.25,205.5 ; 48.25,205.5 C15.2 ; 33.25,205.5 C14.2 ; 200.91,209.05 201,209.05 201.7,209.75 203,209.75 204.2,210.95 LDR2.1 LDR2.1 ; 200.91,209.05 LED14.1 ; 125.91,81.05 LED121.1 ; 125.91,81.05 LDR3.1 LDR3.1 ; 5.91,209.05 LDR1.1 LDR1.1 ; 5.91,209.05 LED1.1 ; 102.29,226.5 71.75,226.5 70.04,224.79 P1.2 ; 102.29,226.5 163.75,226.5 164.73,225.52 P2.3 ; 102.29,226.5 LDR4.1 LDR4.1 ; 185.95,15.05 185.95,16.55 185.45,17.05 183.25,17.05 183.85,17.05 ; 110.95,15.05 110.95,16.3 110.2,17.05 108.25,17.05 ; 80.95,15.05 80.95,16.3 80.2,17.05 78.25,17.05 ; 18.25,17.05 20.2,17.05 20.95,16.3 20.95,15.05 ; 168.85,17.05 168.25,17.05 170.2,17.05 170.95,16.3 170.95,15.05 ; 3.85,17.05 3.25,17.05 5.2,17.05 5.95,16.3 5.95,15.05 ; 138.85,17.05 138.25,17.05 140.2,17.05 140.95,16.3 140.95,15.05 ; 155.95,15.05 155.95,16.3 155.2,17.05 153.25,17.05 153.85,17.05 ; 35.95,15.05 35.95,16.3 35.2,17.05 33.25,17.05 ; 63.85,17.05 63.25,17.05 65.2,17.05 65.95,16.3 65.95,15.05 ; 48.25,17.05 50.2,17.05 50.95,16.3 50.95,15.05 ; 125.95,15.05 125.95,16.3 125.2,17.05 123.25,17.05 123.85,17.05
  Bottom w0.254: 32.57,197.35 U2.2
  Bottom w0.508: R9.1 R8.1 43.75,190.75 44,190.5 v1(44,189.5) 44,187 45.25,185.75 69.75,185.75 70.75,186.75 R3.1 ; 30.1,190.75 v1(30.1,189.5) ; 30.1,190.75 30.1,196.6 30.92,197.43 U2.2 ; 30.1,190.75 R7.1 R6.1 ; C8.2 75.73,222.52 73.25,222.52 ; C1.1 81.3,186.2 U1.6 81.3,191.7 ; 81.3,191.7 82.6,191.7 82.9,191.4 U1.4 ; 81.3,191.7 81.3,195.6 80.5,196.4 U1.18 80.5,199.5 79.75,200.25 76,200.25 73.25,203 v1(73.25,205.5) 73.25,222.52 ; v1(123.25,205.5) 123.25,206.75 123.75,207.25 P6.2 P8.1 ; 180,211.2 174.6,211.2 173.75,210.35 SW2.1 SW2.1 ; 180,211.2 v1(180,205.5) ; 180,211.2 201,211.2 202.25,209.95 SW3.1 SW3.1 ; 180,211.2 R2.1 ; 73.25,222.52 P1.2 ; C195.1 v1(45,11) ; C10.1 v1(65,11) 67.75,11 69.72,12.97 D1.2 114.72,12.97 115.75,14 C11.1 119.5,14 123.04,17.54 F1.2 ; P10.4 18.69,10.44 v1(19.25,11) C199.2 ; C196.1 v1(55.75,11) ; C194.1 v1(35,11)
